# Altium PCB PCB1.PcbDoc (part 1 of 2) (continued)
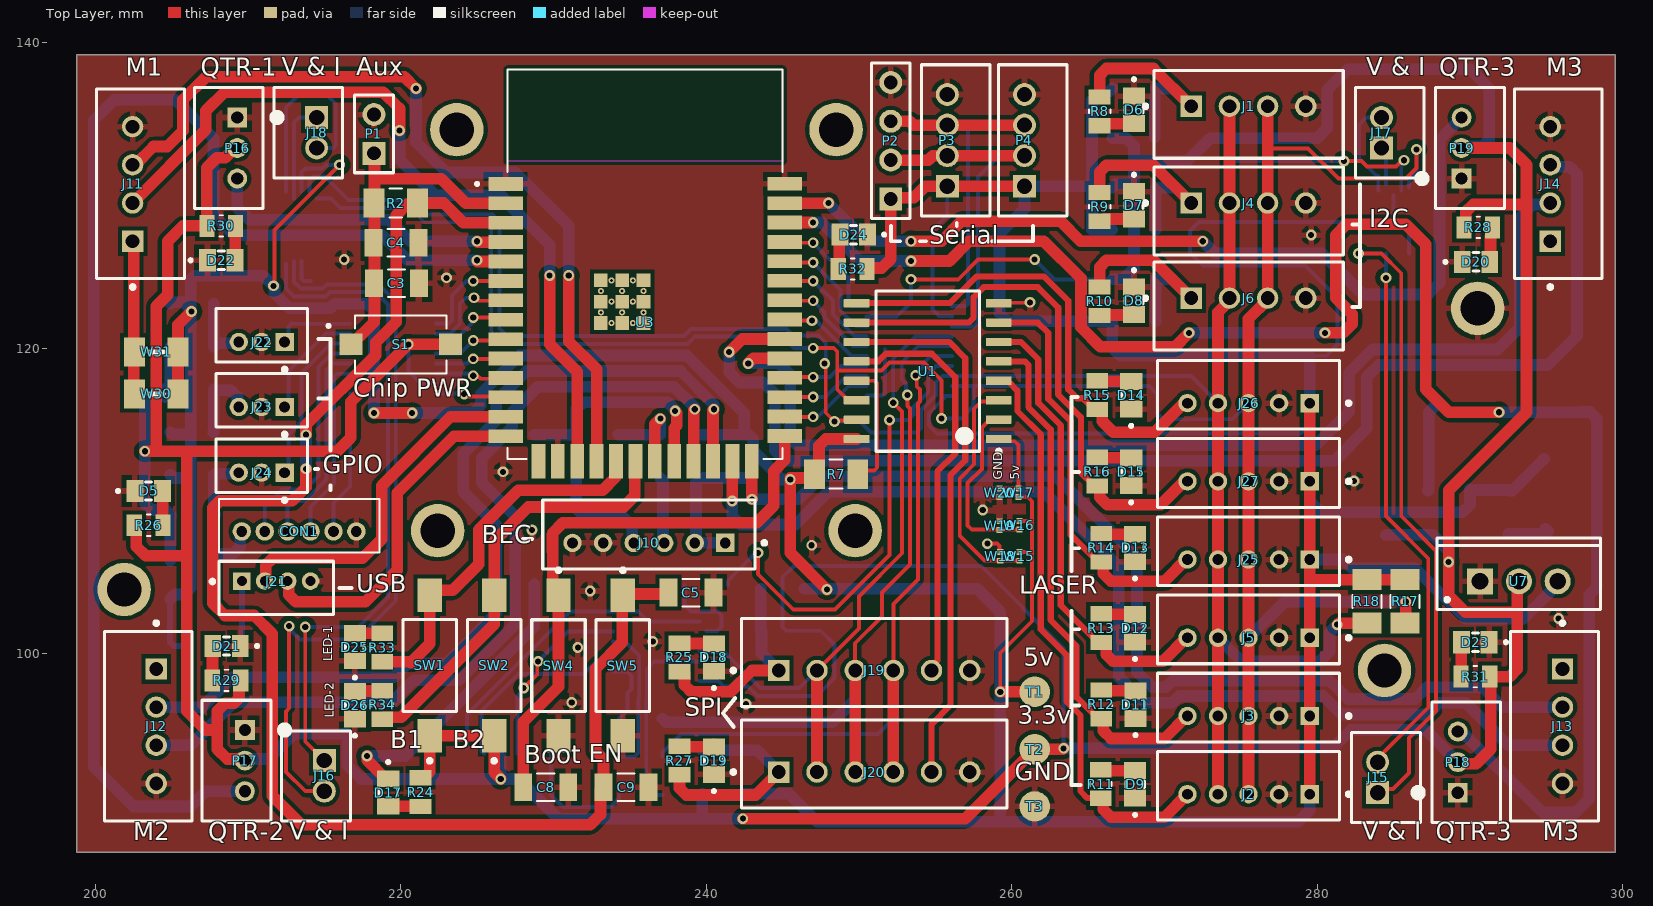
[diagram p0: Top Layer view]
## Footprints (in the part's own frame and the unit in brackets; to place one, negate y for a bottom-side part, rotate by r counter-clockwise, add the part's x,y. Pads: shape width x height; smd on the part's side, far side on the other; paste and mask are expansions set on the pad) (continued)
SOD [mm]
  rect 1.04x0.46 smd: A(1.19,0) C(-1.19,0)
  silkscreen extent -2.3,-0.65 0.85,0.65
SW_TS10-63-26-BE-250-SMT-TR [mm]
  rect 1.5x1.4 smd: 1(-3.25,0) 2(3.25,0)
  silkscreen extent -4.82,-1.9 3,1.9
TECO-FSMSMTR_V [mm] "SMD, 2-Leads, Body 6x3.5mm, Pitch 9.19mm"
  rect 2.2x1.6 smd: 1(-4.595,0)
  rect 2.18x1.6 smd: 2(4.595,0)
  silkscreen extent -6.37,-1.75 3,1.75, body extent -4.98,-1.75 4.98,1.75, height 4.4
Testpoint [mm]
  round 2 smd: 1(0,0)
TI-DGS10_N [mm] "SOP, 10-Leads, Body 3x3mm, Pitch 0.5mm, IPC Medium Density"
  oval 1.7x0.3 smd: 1(-2.05,1) 2(-2.05,0.5) 3(-2.05,0) 4(-2.05,-0.5) 5(-2.05,-1) 6(2.05,-1) 7(2.05,-0.5) 8(2.05,0) 9(2.05,0.5) 10(2.05,1)
  silkscreen extent -2.17,-1.55 0.8,1.83, body extent -1.55,-1.55 1.55,1.55, height 1.1
TO-220-AB3 [mm] "TO, Thru-Hole, Vertical, Heatsink Mounted; 3 In-Line Leads; Pitch 2.54 mm"
  rect 1.7x1.7 hole 1.1: 1(-2.54,0)
  round 1.7 hole 1.1: 2(0,0) 3(2.54,0)
  silkscreen extent -5.35,-1.85 5.35,2.85, body extent -5.4,-1.9 5.4,2.9, height 22.9

## Part data
C1 C2 C3 C4: "22UF 10V 10% 1206", Package=None, Availability=Unavailable, MP=1206ZC226KAT2A, Price=None
C5 C8 C9 S1: Package=None, Availability=Unavailable, Price=None
  C5 C8 C9: MP=C1206C104F5JAC7800
  S1: MP=TS10-63-26-BE-250-SMT-TR
CON1: "Connector Header Surface Mount 6 position 0.059 (1.50mm)", Package=None, Availability=Unavailable, Check_prices=https://www.snapeda.com/parts/B6B-ZR/JST/view-part/4701794/?ref=eda, MF=JST, MP=B6B-ZR, Price=None, SnapEDA_Link=https://www.snapeda.com/parts/B6B-ZR/JST/view-part/4701794/?ref=snap
D1: "Diode Schottky 30V 1A 2-Pin SOD-323 T/R", Package=None, Availability=Good, DigiKey-Purchase-URL=https://snapeda.com/shop?store=DigiKey&id=4817231, MF="Diodes Zetex", Mouser-Purchase-URL=https://snapeda.com/shop?store=Mouser&id=4817231, MP=BAT760-7, Price=None, SnapEDA_Link=https://www.snapeda.com/parts/BAT760-7/Zetex/view-part/4817231/?ref=snap
D2 D5 D6 D7 D8 D9 D11 D12 D13 D14 D15 D17 D18 D19 D20 D21 D22 D23 D24 D25 D26: "LED Uni-Color Green 4-Pin Chip 0805 T/R", Package=None, Availability=Unavailable, MP=597-3305-607F, Price=None
J1 J4 J6 J11 J12 J13 J14: library part CMP-17439-000250-1, "CONN HEADER VERT 4POS 2.5MM", Color=Natural, Contact Resistance=20mR, Current Rating=3A, Flammability Rating="UL94 V-0", Housing Color=White, Insulation Resistance=1GR, Max Operating Temperature=85°C, Max Voltage Rating (AC)=250V, Min Operating Temperature=-25°C, Package Quantity=500, Connector Type=Header, Contact Finish - Mating=TIN, Contact Material=Brass, Contact Plating=Tin, Contact Shape=Square, Contact Type="Male Pin", Depth=5.75mm, Fastening Type=Detent, Gender=Male, Housing Material=Polyamide, Insulation Color=Natural, Insulation Material=Nylon, Lead Free="Lead Free", Lead Pitch=2.5mm, Length=12.4mm, Mated Stacking Heights=9.8mm, Material=Polyamide, Max Current Rating=3A, Max Voltage Rating (DC)=250V, Mount="Through Hole", Number of Contacts=4, Number of Positions=4, Number of Rows=1, Orientation=Straight, Packaging=Bulk, Pitch=2.5mm, REACH SVHC="No SVHC", Series=XH, Termination=Solder, Voltage Rating=250V, Voltage Rating (AC)=250V, Wire/Cable Gauge=22AWG
J2 J3 J5 J25 J26 J27: library part CMP-2000-05908-2, "CONN HEADER VERT 5POS 2MM", Color=Natural, Contact Resistance=20mR, Current Rating=2A, Flammability Rating="UL94 V-0", Housing Color=White, Insulation Resistance=1MR, Max Operating Temperature=85°C, Max Voltage Rating (AC)=100V, Min Operating Temperature=-25°C, Connector Type=Header, Contact Finish - Mating=TIN, Contact Material=Brass, Contact Mating Length=0.13inch, Contact Plating=Tin, Contact Shape=Square, Contact Type="Male Pin", Depth=4.5mm, Fastening Type=Detent, Gender=Male, Height=9.4mm, Housing Material=Polyamide, Insulation Color=Natural, Insulation Material=Nylon, Lead Free="Lead Free", Lead Pitch=2mm, Length=11.9mm, Mated Stacking Heights=8mm, Material=Polyamide, Max Current Rating=2A, Mount="Through Hole", Number of Contacts=5, Number of Pins=5, Number of Poles=5, Number of Positions=5, Number of Rows=1, Orientation=Straight, Packaging=Bulk, Pitch=2mm, REACH SVHC="No SVHC", Series=PH, Termination=Solder, Voltage Rating=100V, Voltage Rating (AC)=100V, Width=4.5mm, Working Voltage=100V
J10: library part CMP-17439-000495-1, "PH Series 6 Position 2 mm Pitch Through Hole Top Entry Shrouded Header", Lead Free="Lead Free"
J15 J16 J17 J18: library part CMP-2000-05162-1, "Male Header, Pitch 2 mm, 1 x 2 Position, Height 6 mm, Tail Length 3.4 mm, -25 to 85 degC, RoHS, Bulk", Manufacturer=JST, Datasheet URL=http://datasheet.octopart.com/B2B-PH-K-S%28LF%29%28SN%29-JST-datasheet-8324864.pdf, Datasheet Version=Nov-08, Manufacturer URL=http://www.jst.com/home2.html, No of Positions=2, Pitch=2mm, Style/Orientation=StraightHeader/Plug, Termination=Crimp, Type=ShroudedHeader
J19 J20: library part CMP-17439-000076-1, "CONN HEADER VERT 6POS 2.5MM"
J21: library part CMP-17439-000033-1, "CONN HEADER VERT 4POS 1.5MM", Color=Natural, Contact Resistance=30mR, Current Rating=1A, Flammability Rating="UL94 V-0", Housing Color=Beige, Insulation Resistance=500MR, Max Operating Temperature=85°C, Max Voltage Rating (AC)=50V, Min Operating Temperature=-25°C, Body Plating=Tin, Connector Type="Male Pin", Contact Material=Brass, Contact Mating Length=0.094inch, Contact Plating=Tin, Contact Type="Male Pin", Depth=3.5mm, Fastening Type=Detent, Gender=Male, Housing Material=Polyamide, Lead Free="Lead Free", Lead Pitch=1.5mm, Length=7.5mm, Material=Nylon, Max Current Rating=1A, Mount="Through Hole", Number of Contacts=4, Number of Positions=4, Number of Rows=1, Orientation=Straight, Packaging=Bulk, Panel Thickness=3.5mm, Pitch=1.5mm, REACH SVHC="No SVHC", Series=ZH, Termination=Solder, Voltage Rating=50V, Voltage Rating (AC)=50V, Voltage Rating (DC)=50V
J22 J23 J24: library part CMP-17439-000041-1, "CONN HEADER VERT 3POS 1.5MM", Color=Natural, Contact Resistance=30mR, Current Rating=1A, Flammability Rating="UL94 V-0", Housing Color=Beige, Insulation Resistance=500MR, Max Operating Temperature=85°C, Max Voltage Rating (AC)=50V, Min Operating Temperature=-25°C, Body Plating=Tin, Connector Type="Male Pin", Contact Material=Copper, Contact Mating Length=0.094inch, Contact Plating=Tin, Contact Type="Male Pin", Depth=3.5mm, Fastening Type=Detent, Gender=Male, Housing Material=Polyamide, Lead Free="Lead Free", Lead Pitch=1.5mm, Length=6mm, Material=Nylon, Max Current Rating=1A, Mount="Through Hole", Number of Contacts=3, Number of Positions=3, Number of Rows=1, Orientation=Straight, Packaging=Bulk, Panel Thickness=3.5mm, Pitch=1.5mm, REACH SVHC="No SVHC", Series=ZH, Termination=Solder, Voltage Rating=50V, Voltage Rating (AC)=50V, Voltage Rating (DC)=50V
P1: "Header, 2-Pin", LatestRevisionDate=17-Jul-2002, LatestRevisionNote="Re-released for DXP Platform.", Publisher="Altium Limited"
P2: "Header, 4-Pin", LatestRevisionDate=17-Jul-2002, LatestRevisionNote="Re-released for DXP Platform.", Publisher="Altium Limited"
P3 P4: library part CMP-2000-05165-1, "Male Header, Pitch 2 mm, 1 x 4 Position, Height 6 mm, Tail Length 3.4 mm, -25 to 85 degC, RoHS, Bulk", Manufacturer=JST, Datasheet URL=http://datasheet.octopart.com/B4B-PH-K-S%28LF%29%28SN%29-JST-datasheet-10558886.pdf, Datasheet Version=Apr-09, Manufacturer URL=http://www.jst.com/home2.html, No of Positions=4, Pitch=2mm, Style/Orientation=StraightHeader/Plug, Termination=Crimp, Type=ShroudedHeader
P16 P17 P18 P19: library part CMP-2000-05164-1, "Male Header, Pitch 2 mm, 1 x 3 Position, Height 6 mm, Tail Length 3.4 mm, -25 to 85 degC, RoHS, Bulk", Manufacturer=JST, Datasheet URL=https://datasheet.ciiva.com/11746/0900766b80826550-11746939.pdf, Datasheet Version=Oct-06, Manufacturer URL=http://www.jst.com/home2.html, No of Positions=3, Pitch=2mm, Style/Orientation=StraightHeader/Plug, Termination=Crimp, Type=ShroudedHeader
R1 R2 R3 R4 R5 R6 R7 R17 R18 R19 R20 R21 R22: library part RGC1206DTC10K0, Package=None, Availability=Unavailable, MP=RGC1206DTC10K0, Price=None
R8 R9 R10 R11 R12 R13 R14 R15 R16 R24 R25 R26 R27 R28 R29 R30 R31 R32 R33 R34: "220 Ohms Â±5% 0.125W, 1/8W Chip Resistor 0805 (2012 Metric) Moisture Resistant Thick Film", Package="2012 Bourns", Availability="In Stock", Check_prices=https://www.snapeda.com/parts/CR0805-JW-221ELF/Bourns/view-part/?ref=eda, MF=Bourns, MP=CR0805-JW-221ELF, Price=None, Purchase-URL=https://pricing.snapeda.com/search/part/CR0805-JW-221ELF/?ref=eda, SnapEDA_Link=https://www.snapeda.com/parts/CR0805-JW-221ELF/Bourns/view-part/?ref=snap
SD1: library part CMP-2000-05848-1, "MicroSD(TM), Pitch 1.1 mm, 8 Position, Height 1.88 mm, -20 to 85 degC, RoHS, Tape and Reel", Manufacturer=Molex, Package Description="MicroSD(TM), Pitch 1.1 mm, 8 Position, Height 1.88 mm", Datasheet URL=http://www.molex.com/pdm_docs/sd/473521001_sd.pdf, Datasheet Version="Rev. G, 01/2012", Manufacturer URL=http://www.molex.com/, Mounting Technology=SurfaceMount, Package Reference=473521001
SW1 SW2 SW4 SW5: library part CMP-2000-07501-1, "FSMSM Push Button Switch, 50 mA, -35 to 85 degC, 2-Pin SMD, RoHS, Tape and Reel", Case\/Package=SMD/SMT, Contact Current Rating=50mA, Contact Resistance=100mOhm, Manufacturer="TE Connectivity", Max Operating Temperature=85degC, Max Voltage Rating (DC)=12V, Min Operating Temperature=-35degC, Operating Force=180gf, Package Description="2-Pin Surface Mount Device, Body 6 x 3.5 mm, Pitch 9.19 mm", Package Quantity=1800, Voltage Rating (DC)=24V, Actuator Length=1.07mm, Actuator Material=Polyamide, Contact Material=Brass, Contact Plating=Silver, Current Rating=50mA, Datasheet URL=http://www.te.com/commerce/DocumentDelivery/DDEController?Action=showdoc&DocId=Customer+Drawing%7F1437566-3%7FC2%7Fpdf%7FEnglish%7FENG_CD_1437566-3_C2_1437566_3_1_c.dwg.pdf%7F1437566-4, Datasheet Version="Rev. C2, 08/2014", Electrical Life=20000Cycles, ELV=Compliant, Illumination Type=Illuminated, Lead Free=LeadFree, Manufacturer URL=http://www.te.com/, Mechanical Life=20000Cycles, Mount=SurfaceMount, Mounting Technology=SurfaceMount, Orientation=Straight, Package Reference=FSMSMTR, Packaging=TapeandReel, REACH SVHC=Unknown, RoHSCompliant=true, Switch Travel=0.25mm, Termination=GullWing, Throw Configuration=SPST
U1: library part CMP-0314-00117-2, "Remote 8-Bit I/O Expander for I2C-Bus, 2.5 to 6 V, -40 to 85 degC, 16-pin SOIC (DW), Green (RoHS & no Sb/Br)", Manufacturer="Texas Instruments", Max Frequency(kHz)=100, Voltage Nodes(V)="5, 3.3", # of I/Os=8, Code_JEDEC=MS-013-AA, ComponentLink1Description=Datasheet, ComponentLink1URL=http://www.ti.com/general/docs/lit/getliterature.tsp?genericPartNumber=PCF8574&fileType=pdf, ComponentLink2Description="Package Specification", ComponentLink2URL=http://www.ti.com/litv/pdf/msoi003g, DatasheetVersion=SCPS068G, Eco-Plan="Green (RoHS & no Sb/Br)", fSCLK(Max)(MHz)=0.1, I2C Address="0100 xxx", Interrupt Output=Yes, Mounting Technology="Surface Mount", PackageDescription="16-Pin Small Outline Integrated Circuit, 10.3 x 7.5 mm, Pitch 1.27 mm Pitch", PackageReference=DW0016A, PackageVersion="revG, Jan-2011", PartNumber=PCF8574DWR, Push-Pull I/O Type=Yes, Reset Input=No, SubFamily="I2C IO Expander", Vcc range(V)="2.5 to 6.0", VCC(Max)(V)=6, VCC(Min)(V)=2.5
U2 U4: library part CMP-0003-00378-2, "16-Bit ADC with Integrated Multiplexer, PGA, Comparator, Oscillator, and Reference, -40 to 125 degC, 10-pin SOP (DGS10), Green (RoHS & no Sb/Br)", Analog Voltage AV/DD(Max)(V)=5.5, Analog Voltage AV/DD(Min)(V)=2, Manufacturer="Texas Instruments", # Input Channels=4, Architecture=Delta-Sigma, Code_JEDEC=MO-153, ComponentLink1Description="Manufacturer URL", ComponentLink1URL=http://www.ti.com/, ComponentLink2Description=Datasheet, ComponentLink2URL=http://www.ti.com/general/docs/lit/getliterature.tsp?genericPartNumber=ADS1115&fileType=pdf, ComponentLink3Description="Package Specification", ComponentLink3URL=http://www.ti.com/lit/ml/mpds035b/mpds035b.pdf, DatasheetVersion=SBAS444B, Digital Supply(Max)(V)=5.5, Digital Supply(Min)(V)=2, Eco-Plan="Green (RoHS & no Sb/Br)", INL(Max)(+/-LSB)=1, Interface="Serial I2C", Mounting Technology="Surface Mount", PackageDescription="10-Pin Plastic Small Outline, Body 3 x 3 mm, Pitch 0.5 mm", PackageReference=DGS10, PackageVersion="4073272/C, 02/2004", PartNumber=ADS1115IDGST, Resolution(Bits)=16, Sample Rate (max)(SPS)=860, SubFamily="Precision ADC (<=10MSPS)"
U3: "SMD MODULE, ESP32-S3R8 WITH 8 MB", Package="NON STANDARD Espressif Systems", Check_prices=https://www.snapeda.com/parts/ESP32-S3-WROOM-1/Espressif+Systems/view-part/?ref=eda, MF="Espressif Systems", MP=ESP32-S3-WROOM-1, SnapEDA_Link=https://www.snapeda.com/parts/ESP32-S3-WROOM-1/Espressif+Systems/view-part/?ref=snap
U5 U6: library part CMP-04899-000001-1, "IC TRNSLTR BIDIRECTIONAL 20TSSOP", Ambient Temperature Range High=+125°C, Ambient Temperature Range Low=-40°C, Manufacturer="Texas Instruments", Max Junction Temp=+150°C, Max Supply Voltage=5.5V, Min Supply Voltage=1.4V, Nominal Supply Current=8uA, Package=PW0020A, Temperature="-40°C to +125°C", Automotive=Yes, Automotive Grade="Grade 1", Category=IC, ComponentLink2Description=Datasheet, ComponentLink2URL=http://www.ti.com/lit/ds/symlink/txs0108e-q1.pdf, Data Rate=110Mbits/s, Device Class L1="Integrated Circuits (ICs)", Device Class L2="Logic ICs", Device Class L3="Voltage Level Shifters", Digikey Description="IC TRNSLTR BIDIRECTIONAL 20TSSOP", Height=1.2mm, Ipc Land Pattern Name=SOP65P640X120-20, Lead Free=Yes, Logic Function Desc=Non-inverting, Manufacturer Part Number=TXS0108EQPWRQ1, Mouser Description="Translation - Voltage Levels 8B Bidir Vltg-Level Translator ALT 595-TXS0108EPWR", Number Of Circuits=1, Number Of Inputs=8, Number Of Outputs=8, Octopart=https://octopart.com/txs0108eqpwrq1-texas+instruments-59160487, RoHS=TRUE, Standoff Height=0.05mm, Temperature Range High=+125°C, Temperature Range Low=-40°C, V A Max=3.6V, V A Min=1.4V, V B Max=5.5V, V B Min=1.65V
U7: "1A LOW DROPOUT VOLTAGE REGULATOR SOT-223", Package="SOT-223 Seeed Technology", Availability="Not in stock", Check_prices=https://www.snapeda.com/parts/AMS1117/Advanced+Monolithic+Systems/view-part/?ref=eda, MF="Advanced Monolithic Systems", MP=AMS1117, Price=None, SnapEDA_Link=https://www.snapeda.com/parts/AMS1117/Advanced+Monolithic+Systems/view-part/?ref=snap
U9: library part CMP-0440-00179-4, "IC BUF NON-INVERT 3.6V 14TSSOP", Case/Package=TSSOP, High Level Output Current=-24mA, Low Level Output Current=24mA, Max Operating Temperature=125°C, Max Power Dissipation=500mW, Max Supply Voltage=3.6V, Min Operating Temperature=-40°C, Min Supply Voltage=1.65V, Package Quantity=1, Quiescent Current=1uA, Contact Plating=Gold, Height=1.15mm, Lead Free="Lead Free", Length=5mm, Logic Function=Buffer, Mount="Surface Mount", Number of Bits=4, Number of Bits per Element=1, Number of Channels=4, Number Of Circuits=4, Number of Elements=4, Number of Gates=4, Number of Input Lines=4, Number Of Inputs=4, Number of Output Lines=3, Number Of Outputs=4, Number of Pins=14, Packaging="Tape and Reel", Polarity=Non-Inverting, Propagation Delay=4.6ns, Radiation Hardening=No, REACH SVHC="No SVHC", Termination=SMD/SMT, Turn-On Delay Time=5.3ns, Width=4.4mm
U10: library part CMP-07128-000023-2, "IC REG LINEAR 3.3V 1A DPAK", Case/Package=DPAK, Dropout Voltage=1.07V, Input Bias Current=6mA, Max Input Voltage=20V, Max Operating Temperature=125°C, Max Output Current=1A, Min Operating Temperature=0°C, Nominal Output Voltage=3.3V, Output Voltage Accuracy=1%, Package Quantity=1, Quiescent Current=10mA, Reference Voltage=1.27V, Accuracy=1%, Contact Plating=Tin, Halogen Free="Halogen Free", Height=2.38mm, Lead Free="Lead Free", Length=6.73mm, Min Current Limit=1A, Mount="Surface Mount", Number Of Outputs=1, Number of Pins=3, Number of Regulators=1, Output Current=1A, Output Type=Fixed, Output Voltage=3.3V, Packaging="Tape and Reel", Polarity=Positive, Radiation Hardening=No, REACH SVHC="No SVHC", Width=6.22mm

## Free pads (board coordinates)
  round 3.5 hole 2.25: M2(201.9,104.2) M2(222.425,108.05) M2(223.675,134.3) M2(248.5,134.3) M2(249.75,108.05) M2(284.4,98.9) M2(290.5,122.6)

## Via types
v1: diameter 0.7, hole 0.4, Top Layer to Bottom Layer, 92 vias

## Nets (pads, with @x,y where several pads share a name; then routed paths per layer and width w, separated by ;. In a path a pad name is that pad's centre, name@x,y a point inside that pad or via, vN(x,y) a via of type N, cw(c..) or ccw(c..) an arc to the next point about the centre after c; other vN are vias at no path point)
3.3V: C2.2 P16.2 P17.2 P18.2 P19.2 R24.1 R26.1 R28.1 R29.1 R30.1 R31.1 S1.2 SD1.4 SW1.1 SW2.1 T2.1 U5.19 U6.19 U7.2 U9.14 W3.2 W5.2 W7.2 W10.2 W11.2 W13.2 W23.2 W27.2 W28.2 W29.2 | length 377.7
  Top Layer w0.254: v1(253.4,124.5) 256.5,124.5 257.8,125.8 v1(261.5,125.8)
  Top Layer w0.762: R26.1@202.566,108.4 202.685,108.281 202.685,107.015 203.3,106.4 206,106.4 ; v1(203.25,113.25) 206,113.25 ; 204,113.5 204,122.75 204.75,123.5 204.75,127 205.751,128.001 R30.1@207.315,128.001 207.315,131.815 207.958,132.458 208.513,132.458 209.154,133.1 P16.2@209.3,133.1 ; R29.1@209.535,98.249 209.416,98.13 209.416,97.077 209.089,96.75 208.5,96.75 208,96.25 208,95 ; P17.2@209.8,93 209.697,93.103 208.647,93.103 208,93.75 208,95 ; R24.1@221.3,91.87 221.51,91.87 221.904,92.264 SW1.1@221.904,94.634 SW2.1@226.117,94.634 226.117,92.233 v1(226.55,91.8) ; S1.2@223.25,120.25 v1(220.5,120.25) 216.725,116.475 216.725,114.125 215.85,113.25 206,113.25 ; v1(242.4,89.2) 256.951,89.2 T2.1@261.5,93.75 263.35,93.75 v1(263.4,93.8) ; P18.2@289.09,92.8 290.4,92.8 291.35,93.75 R31.1@291.35,98.435 ; P19.2@289.45,133.1 292.6,133.1 293.7,132 293.7,129.4 ; R28.1@289.6,127.9 289.719,128.019 289.719,128.919 290.2,129.4 293.7,129.4 ; R31.1@291.285,98.5 292.6,98.5 293.1,99 293.1,102.7 ; U7.2@293.2,104.735 293.1,104.635 293.1,102.7 ; 206,106.4 206,113.25 ; 206,106.4 206,96.25 207.25,95 208,95 ; 293.1,102.7 289.7,102.7 288.6,103.8 v1(288.6,106) 288.6,110.7 293.7,115.8 293.7,129.4
  Bottom Layer w0.254: v1(220.5,120.25) 220.5,118.5 221.277,117.723 222.277,117.723 U6.19@222.3,117.7 ; U9.14@239.55,98.2 240.8,98.2 241.15,97.85 242.732,97.85 243.347,97.235 247.235,97.235 248.35,98.35 248.35,98.364 248.407,98.421 248.407,100.593 247.5,101.5 W10.2@246.421,101.5 245.25,101.5 245,101.75 245,105 245.75,105.75 258,105.75 263.4,100.35 v1(263.4,93.8) ; U5.19@250.5,122.075 252.475,122.075 253.4,123 v1(253.4,124.5) ; v1(261.5,125.8) 262.8,124.5 W7.2@266.579,124.5
  Bottom Layer w0.762: W28.2@204.625,116.8 204.625,116.996 W28.2@204.929,117.3 ; W23.2@204.908,106.1 204.919,106.11 204.919,108.895 W29.2@204.929,108.905 204.929,109.101 204.625,109.405 203.696,109.405 203.25,109.851 v1(203.25,113.25) 203.25,116.354 204.196,117.3 W28.2@204.929,117.3 ; W27.2@204.929,120.1 W28.2@204.929,117.3 ; P17.2@209.8,93 209.903,93.103 211.353,93.103 213,94.75 216.5,94.75 216.5,92.7 217.4,91.8 v1(226.55,91.8) ; SD1.4@226.55,93.25 v1(226.55,91.8) ; 239.75,89.5 W11.2@239.75,90.828 ; v1(242.4,89.2) 242.394,89.194 230.306,89.194 227.7,91.8 v1(226.55,91.8) ; v1(263.4,93.8) 281,93.8 282.2,95 287.1,95 P18.2@289.2,92.9 ; W7.2@266.579,124.5 267.25,124.5 268,125.25 268,130.75 ; W5.2@266.579,130.5 266.829,130.75 268,130.75 ; W3.2@266.579,133.75 267.5,133.75 268,133.25 268,132.25 ; C2.2@284.5,107.75 284.539,107.789 287.56,107.789 288.6,106.749 v1(288.6,106) ; P19.2@289.45,133.1 289.553,133.203 290.804,133.203 291.25,133.649 291.25,137 290,138.25 282,138.25 280.661,136.911 280.661,134.411 280,133.75 273,133.75 271.5,132.25 268,132.25 ; 268,130.75 268,132.25
4: P16.3 U3.4 | length 20.4
  Top Layer w0.762: v1(225,127) 225.06,126.94 U3.4@226.875,126.94
  Bottom Layer w0.762: P16.3@209.3,131.1 209.3,129.2 210.084,128.416 219.221,128.416 220.637,127 v1(225,127)
5: P17.3 pad.M2@201.9,104.2 U3.5 | length 88.5
  Top Layer w0.762: v1@225,125.67 U3.5@226.875,125.67
  Bottom Layer w0.762: P17.3@209.8,91 207.25,91 206.25,90 202.5,90 199.9,92.6 199.9,134.9 201.25,136.25 205.25,136.25 207.75,133.75 207.75,128.75 209.1,127.4 218.8,127.4 220.45,125.75 v1(225,125.75)
6: U3.6 U6.13 | length 6.3
  Top Layer w0.254: v1@225.1,124.4 U3.6@226.875,124.4
  Bottom Layer w0.254: U6.13@222.3,121.6 222.323,121.623 223.142,121.623 223.354,121.835 223.354,123.454 224.3,124.4 v1(224.75,124.4)
7: U3.7 U6.14 | length 6
  Top Layer w0.254: 225.1,123.1 226.845,123.1 U3.7@226.875,123.13
  Bottom Layer w0.254: U6.14@222.3,120.95 222.315,120.965 223.265,120.965 223.862,121.562 223.862,122.882 224.277,123.297 224.797,123.297 v1(224.8,123.3)
8: U3.8 U6.15 | length 5.4
  Top Layer w0.254: v1@225,122 226.735,122 U3.8@226.875,121.86
  Bottom Layer w0.254: U6.15@222.3,120.3 222.323,120.323 223.341,120.323 224.665,121.646 224.665,121.794 224.871,122 v1@224.956,122
  other v1: 224.75,122
9: U3.9 U6.16 | length 5
  Top Layer w0.254: v1(224.75,120.5) 226.785,120.5 U3.9@226.875,120.59
  Bottom Layer w0.254: U6.16@222.3,119.65 223.9,119.65 v1(224.75,120.5)
10: U3.10 U6.17 | length 4.4
  Top Layer w0.254: v1@225.1,119.3 226.855,119.3 U3.10@226.875,119.32
  Bottom Layer w0.254: U6.17@222.3,119 224.329,119 224.629,119.3 v1(224.75,119.3)
11: U3.11 U6.18 | length 4.5
  Top Layer w0.254: v1@225.031,118.189 225.221,118 226.825,118 U3.11@226.875,118.05
  Bottom Layer w0.254: U6.18@222.3,118.35 224.469,118.35 224.629,118.189 v1(224.75,118.189)
12: U3.12 U6.20 | length 4.3
  Top Layer w0.254: v1@224.437,116.839 226.816,116.839 U3.12@226.875,116.78
  Bottom Layer w0.254: U6.20@222.3,117.05 222.323,117.027 224.129,117.027 v1(224.156,117)
13: J21.2 U3.13 | length 22.9
  Top Layer w0.762: J21.2@211.1,104.75 211.174,104.824 211.174,105.804 211.621,106.25 217.5,106.25 218.75,107.5 218.75,111 223.26,115.51 U3.13@226.875,115.51
14: J21.3 U3.14 | length 22.8
  Top Layer w0.762: J21.3@212.6,104.75 212.674,104.676 212.674,103.846 213.121,103.4 217.7,103.4 219.766,105.466 219.766,110.516 223.49,114.24 U3.14@226.875,114.24
17: J11.2 U3.17 | length 52.1
  Top Layer w0.762: J11.2@202.45,129.5 207.25,134.3 207.25,135.538 208.463,136.751 218.855,136.751 219.919,135.687 v1(219.919,134.25) ; v1(229.75,124.75) 229.75,120.25 231.555,118.445 U3.17@231.555,112.6
  Bottom Layer w0.762: v1(219.919,134.25) 219.919,132.331 222.25,130 226.554,130 227.234,129.32 227.234,129.266 229.75,126.75 v1(229.75,124.75)
18: J11.3 U3.18 | length 54.4
  Top Layer w0.762: J11.3@202.45,132 202.623,132 203.822,133.2 204.713,133.2 205.75,134.237 205.75,136.25 207.267,137.767 220.233,137.767 v1(221,137) ; v1(231,124.75) 231,120.437 232.825,118.612 U3.18@232.825,112.6
  Bottom Layer w0.762: v1(221,137) 221,133.495 222.995,131.5 227.5,131.5 231,128 v1(231,124.75)
19: R33.1 SW1.2 U3.19 | length 24.6
  Top Layer w0.762: R33.1@218.79,99.465 220.615,99.465 220.665,99.415 221.904,100.654 SW1.2@221.904,103.824 222.231,104.15 223.4,104.15 225.101,105.851 225.101,108.101 227.7,110.7 233.218,110.7 234.026,111.508 234.026,112.531 U3.19@234.095,112.6
20: R34.1 SW2.2 U3.20 | length 28.1
  Top Layer w0.762: R34.1@218.79,95.711 218.909,95.83 220.03,95.83 226.117,101.917 SW2.2@226.117,103.824 226.117,107.367 228.35,109.6 234.6,109.6 235.332,110.332 235.332,112.567 U3.20@235.365,112.6
21: R3.1 R5.2 U3.21 | length 6.7
  Top Layer w0.762: U3.21@236.635,112.6 236.635,115.022 v1(237,115.387)
  Bottom Layer w0.762: R5.2@234.25,114.342 R3.1@237,114.342 v1(237,115.387)
22: R4.1 R6.2 U3.22 | length 14.8
  Top Layer w0.762: U3.22@237.905,112.6 237.905,114.763 238.081,114.939 238.081,115.767 v1(237.964,115.883)
  Bottom Layer w0.762: R6.2@228.75,114.342 R4.1@231.5,114.342 231.5,116.022 231.946,116.468 237.471,116.468 237.964,115.975 v1(237.964,115.883)
23: J12.3 U3.23 | length 59.2
  Top Layer w0.762: U3.23@239.175,112.6 239.175,115.925 v1(239.25,116)
  Bottom Layer w0.762: J12.3@204,94 206.25,94 209.075,96.825 219.425,96.825 220.85,98.25 223.813,98.25 227.5,101.937 227.5,109 225.3,111.2 225.3,112.8 227.282,114.782 227.282,115.782 228.984,117.484 237.892,117.484 239.25,116.126 v1(239.25,116)
24: J12.2 U3.24 | length 60.2
  Top Layer w0.762: U3.24@240.445,112.6 240.445,115.945 v1(240.5,116)
  Bottom Layer w0.762: J12.2@204,96.5 207,96.5 208.95,98.45 219.55,98.45 220.475,99.375 223,99.375 226.266,102.641 226.266,108.434 224.1,110.6 224.1,113.1 226.266,115.266 226.266,116.516 228.25,118.5 238.313,118.5 240.5,116.313 v1(240.5,116)
25: J13.3 U3.25 | length 71.2
  Top Layer w0.762: v1(241.7,110) 241.715,110.015 U3.25@241.715,112.6
  Bottom Layer w0.762: v1(241.7,110) 241.7,109.006 242.253,108.453 245.853,108.453 248,110.6 262.1,110.6 267,105.7 267,98.5 268.716,96.784 270.51,96.784 270.957,97.231 280.394,97.231 281.609,96.016 287.232,96.016 288,96.784 289.716,96.784 292.5,94 J13.3@296.05,94
26: J13.2 pad.M2@284.4,98.9 U3.26 | length 67.8
  Top Layer w0.762: U3.26@242.985,112.6 242.985,110.115 v1(243,110.1)
  Bottom Layer w0.762: v1(243,110.1) 246.063,110.1 247.579,111.616 262.884,111.616 268.2,106.3 268.2,98.8 269.2,97.8 270.089,97.8 270.536,98.247 280.815,98.247 282.03,97.032 286.4,97.032 287.168,97.8 290.812,97.8 292.112,96.5 J13.2@296.05,96.5
27: C8.2 SW4.1 U3.27 | length 37.9
  Top Layer w0.762: C8.2@228.025,91.25 228.025,95.525 230.331,97.831 SW4.1@230.331,103.814 229.947,104.198 229.947,106.699 229.939,106.707 229.939,107.793 229.947,107.801 229.947,107.9 230.607,108.561 243.3,108.561 244.419,109.68 244.419,111.948 245.15,112.679 U3.27@245.15,114.25
28: U3.28 U5.12 | length 6.2
  Top Layer w0.254: U3.28@245.15,115.52 245.17,115.5 v1(247,115.5)
  Bottom Layer w0.254: v1(247,115.5) 247.085,115.585 247.402,115.585 249.319,117.502 250.477,117.502 U5.12@250.5,117.525
29: U3.29 U5.13 | length 5.9
  Top Layer w0.254: U3.29@245.15,116.79 245.16,116.8 v1(247,116.8)
  Bottom Layer w0.254: v1(247,116.8) 247.8,116.8 249.175,118.175 U5.13@250.5,118.175
30: U3.30 U5.14 | length 5.7
  Top Layer w0.254: U3.30@245.15,118.06 245.19,118.1 v1(247,118.1)
  Bottom Layer w0.254: v1(247,118.1) 248.1,118.1 248.825,118.825 U5.14@250.5,118.825
31: J14.2 U3.31 | length 72
  Top Layer w0.254: U3.31@245.15,119.33 U3.31@245.18,119.3
  Top Layer w0.762: v1(242.75,119) 243.08,119.33 U3.31@245.15,119.33
  Bottom Layer w0.762: v1(242.75,119) 244.75,119 245.5,118.25 245.5,114.094 245.946,113.648 279.898,113.648 282.089,115.839 282.089,118.4 283.6,119.911 291.811,119.911 293.25,121.35 293.25,128.55 294.1,129.4 295.15,129.4 J14.2@295.25,129.5
32: J14.3 U3.32 | length 83.4
  Top Layer w0.762: v1(241.5,119.75) 242.35,120.6 U3.32@245.15,120.6
  Bottom Layer w0.762: v1(241.5,119.75) 241.5,118.42 242.17,117.75 243.75,117.75 244,117.5 244.484,117.016 244.484,113.311 245.163,112.632 281.132,112.632 283.25,114.75 283.25,118.124 284.019,118.893 295.093,118.893 297,120.8 297,131.4 296.522,131.878 295.372,131.878 J14.3@295.25,132
33: U3.33 U5.15 | length 6.3
  Top Layer w0.254: U3.33@245.15,121.87 245.22,121.8 v1(246.923,121.8)
  Bottom Layer w0.254: v1(246.923,121.8) 247.008,121.715 247.285,121.715 249.519,119.481 250.494,119.481 U5.15@250.5,119.475
34: U3.34 U5.16 | length 6.8
  Top Layer w0.254: U3.34@245.15,123.14 245.19,123.1 v1(247,123.1)
  Bottom Layer w0.254: v1(247,123.1) 247.75,122.35 247.75,122 249.602,120.148 250.477,120.148 U5.16@250.5,120.125
35: U3.35 U5.17 | length 7.4
  Top Layer w0.254: U3.35@245.15,124.41 245.16,124.4 v1(247,124.4)
  Bottom Layer w0.254: v1(247,124.4) 248.292,123.108 248.292,122.526 248.3,122.518 248.3,122.2 249.702,120.798 250.477,120.798 U5.17@250.5,120.775